# Altium PCB Booster_Main_Board.PcbDoc (part 9 of 13) (continued)
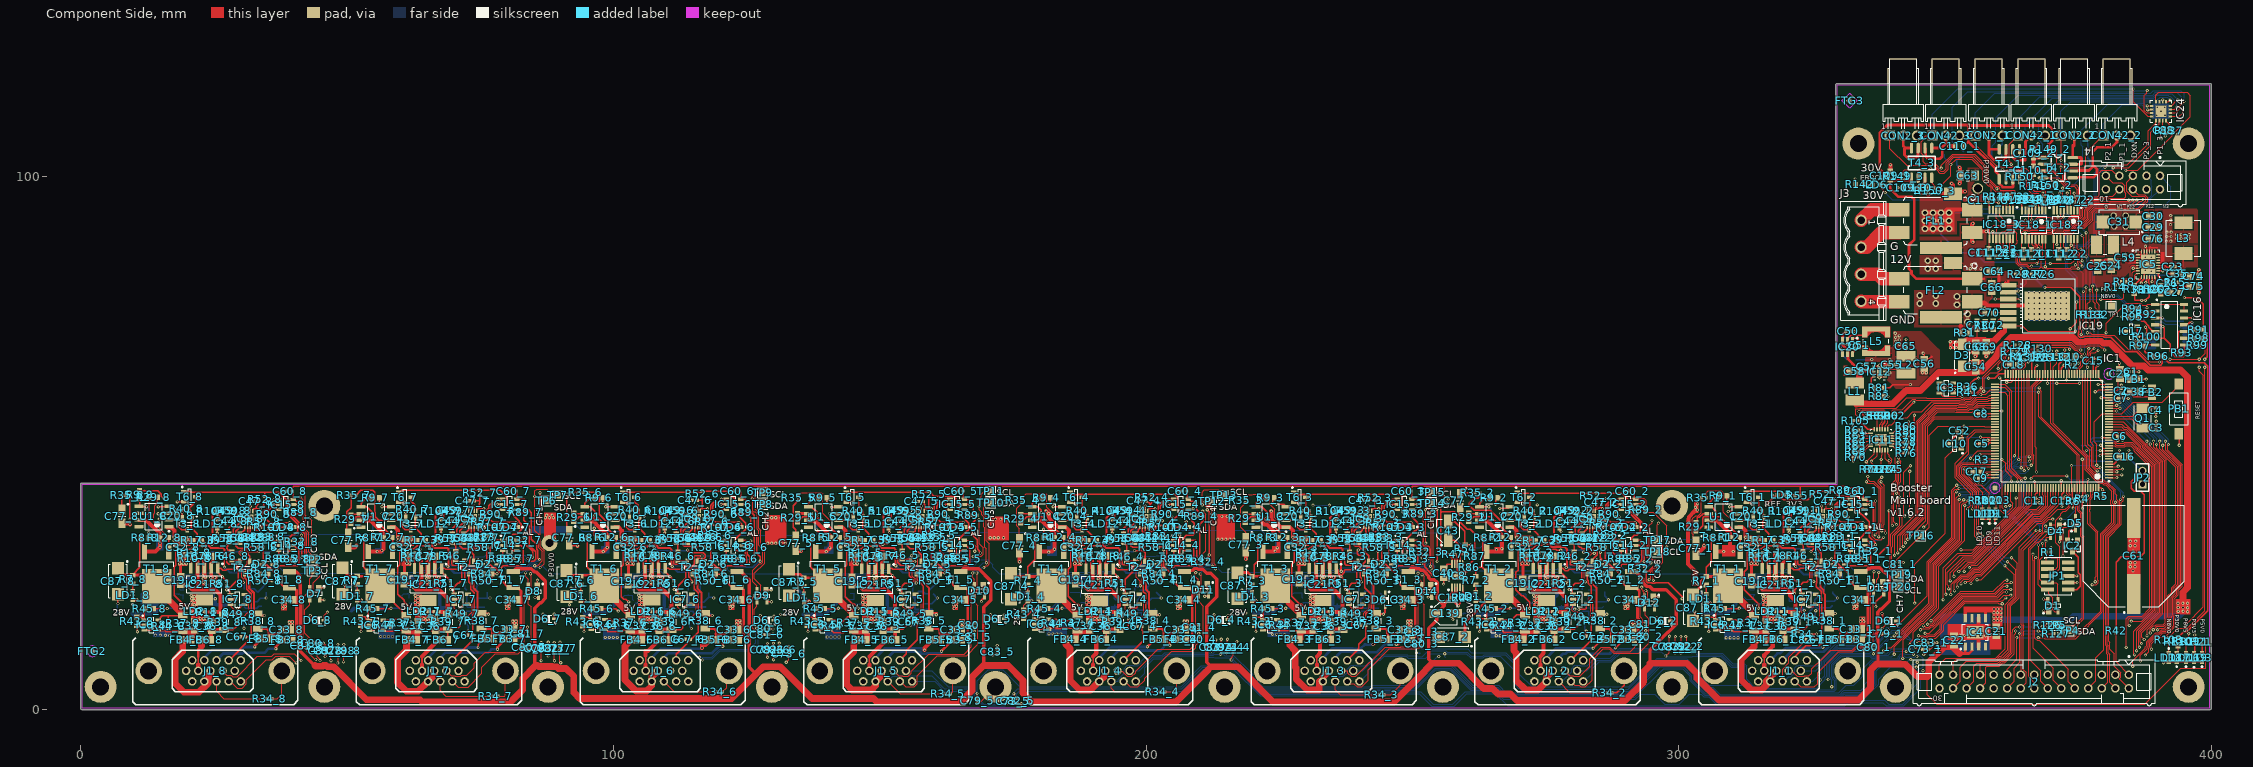
[diagram p0: Component Side view]
## Nets (pads, with @x,y where several pads share a name; then routed paths per layer and width w, separated by ;. In a path a pad name is that pad's centre, name@x,y a point inside that pad or via, vN(x,y) a via of type N, cw(c..) or ccw(c..) an arc to the next point about the centre after c; other vN are vias at no path point) (continued)
  Solder Side w0.152: v1(371.727,35.754) 372.721,35.754 375.264,38.297 375.264,38.7 375.574,39.01 375.613,39.01 376.707,40.104 v1(376.707,40.132)
NetIC1_143: IC1.143 R5.2 | length 2.1
  Component Side w0.152: IC1.143@378.303,41.599 378.303,40.112 378.409,40.005 R5.2@378.828,40.005
NetIC5_5: IC5.5 R14.1 | length 7
  Component Side w0.152: R14.1@381.978,79.724 382.478,80.224 382.478,80.564 382.758,80.843 384.318,80.843 384.728,81.254 384.728,83.006 385.095,83.373 385.533,83.373 385.55,83.357 IC5.5@386.208,83.357
NetIC5_7: IC5.7 R18.2 | length 3.7
  Component Side w0.152: R18.2@384.083,80.305 384.455,80.305 384.8,80.65 384.967,80.65 385.111,80.795 385.111,82.007 385.421,82.316 385.533,82.316 385.574,82.357 IC5.7@386.208,82.357
NetIC5_9: IC5.9 R16.2 R33.2 | length 3.9
  Component Side w0.254: R33.2@385.492,79.784 385.805,79.471 387.078,79.471 387.089,79.482 R16.2@387.27,79.302 ; R33.2@385.721,79.809 386.858,80.947 IC5.9@386.858,81.207
NetIC5_12: IC5.12 R19.2 | length 2
  Component Side w0.254: R19.2@388.337,79.302 388.358,79.323 388.358,79.997 388.279,80.077 388.279,80.686 388.358,80.765 IC5.12@388.358,81.207
NetIC6_1_1: IC6_1.1 R43_1.2 R45_1.1 | length 3.8
  Component Side w0.254: R43_1.2@305.346,17.354 306.375,17.354 306.524,17.205 306.524,17.027 306.697,16.854 306.947,16.854 R45_1.1@306.947,18.769
NetIC6_1_3: IC6_1.3 R44_1.1 | length 4.9
  Component Side w0.254: IC6_1.3@306.935,14.976 308.109,14.976 309.001,15.868 310.335,15.868 310.721,15.482 311.179,15.482 R44_1.1@311.263,15.398
NetIC6_2_1: IC6_2.1 R43_2.2 R45_2.1 | length 3.7
  Component Side w0.254: R43_2.2@262.563,17.354 262.89,17.027 263.741,17.027 263.914,16.854 IC6_2.1@263.947,16.854 ; R45_2.1@263.947,18.769 IC6_2.1@263.947,16.854 ; IC6_2.1@264.164,16.854 IC6_2.1@263.947,16.854
NetIC6_2_3: IC6_2.3 R44_2.1 | length 4.6
  Component Side w0.254: IC6_2.3@263.947,14.954 265.093,14.954 265.735,15.596 267.856,15.596 267.897,15.554 268.025,15.554 R44_2.1@268.188,15.391
NetIC6_3_1: IC6_3.1 R43_3.2 R45_3.1 | length 4.1
  Component Side w0.254: R43_3.2@220.346,17.354 221.375,17.354 221.524,17.205 221.524,17.027 221.697,16.854 IC6_3.1@221.947,16.854 221.947,18.769 222.038,18.86 R45_3.1@222.038,18.96
NetIC6_3_3: IC6_3.3 R44_3.1 | length 4.5
  Component Side w0.152: IC6_3.3@221.947,14.954 223.093,14.954 223.672,15.533 226.046,15.533 R44_3.1@226.188,15.391
NetIC6_4_1: IC6_4.1 R43_4.2 R45_4.1 | length 6.2
  Component Side w0.254: R43_4.2@177.013,17.085 177.063,17.085 177.386,17.408 177.386,17.458 178.888,18.96 R45_4.1@180.038,18.96 180.038,18.91 179.715,18.587 179.665,18.587 179.109,18.03 IC6_4.1@179.109,16.96
NetIC6_4_3: IC6_4.3 R44_4.1 | length 4.6
  Component Side w0.152: IC6_4.3@179.109,15.06 180.535,15.06 181.064,15.589 183.343,15.589 R44_4.1@183.463,15.709
NetIC6_5_1: IC6_5.1 R43_5.2 R45_5.1 | length 3.9
  Component Side w0.254: R43_5.2@136.248,17.354 137.277,17.354 137.426,17.205 137.426,17.027 137.599,16.854 137.849,16.854 R45_5.1@137.849,18.769 ; R45_5.1@138.038,18.86 R45_5.1@138.038,18.91
  Component Side w0.635: R45_5.1@138.038,18.91 R45_5.1@138.038,18.96
NetIC6_5_3: IC6_5.3 R44_5.1 | length 4.6
  Component Side w0.152: IC6_5.3@137.963,14.954 139.11,14.954 139.688,15.533 141.865,15.533 141.894,15.504 141.974,15.504 R44_5.1@142.188,15.29
NetIC6_6_1: IC6_6.1 R43_6.2 R45_6.1 | length 3.9
  Component Side w0.254: R43_6.2@94.206,17.354 95.236,17.354 95.384,17.205 95.384,17.027 95.557,16.854 95.807,16.854 R45_6.1@95.807,18.769 ; R45_6.1@96.038,18.86 R45_6.1@96.038,18.96
NetIC6_6_3: IC6_6.3 R44_6.1 | length 4.8
  Component Side w0.152: IC6_6.3@95.822,15.027 97.041,15.027 97.918,15.904 98.987,15.904 99.502,15.389 R44_6.1@100.048,15.389
NetIC6_7_1: IC6_7.1 R43_7.2 R45_7.1 | length 3.9
  Component Side w0.254: R43_7.2@52.346,17.375 53.375,17.375 53.524,17.226 53.524,17.048 53.697,16.875 53.947,16.875 R45_7.1@53.947,18.79 ; R45_7.1@54.038,18.86 R45_7.1@54.038,18.96
NetIC6_7_3: IC6_7.3 R44_7.1 | length 4.5
  Component Side w0.152: IC6_7.3@54.187,14.874 55.12,14.874 56.02,15.775 57.825,15.775 R44_7.1@58.188,15.412
NetIC6_8_1: IC6_8.1 R43_8.2 R45_8.1 | length 3.9
  Component Side w0.254: R43_8.2@10.346,17.325 11.375,17.325 11.524,17.176 11.524,16.998 11.697,16.825 11.947,16.825 R45_8.1@11.947,18.74 ; R45_8.1@12.038,18.831 R45_8.1@12.038,18.931
NetIC6_8_3: IC6_8.3 R44_8.1 | length 4.9
  Component Side w0.254: IC6_8.3@11.935,14.925 13.091,14.925 13.791,15.625 15.897,15.625 16.16,15.362 16.215,15.362 R44_8.1@16.378,15.199
NetIC7_1_1: IC7_1.1 R46_1.2 R53_1.1 | length 13.2
  Component Side w0.254: R53_1.1@322.762,31.36 323.085,31.037 323.179,31.037 323.328,30.888 R46_1.2@323.328,29.648 323.278,29.648 322.955,29.325 322.955,29.275 322.37,28.69 322.37,27.349 322.539,27.179 324.256,27.179 324.419,27.016 324.548,26.887 324.548,24.455 324.026,23.933 323.388,23.933 322.996,23.542 IC7_1.1@322.996,21.768
NetIC7_1_3: IC7_1.3 R49_1.1 | length 4.2
  Component Side w0.152: IC7_1.3@323.113,19.751 323.113,19.185 323.017,19.088 323.017,18.402 323.326,18.092 324.98,18.092 325.168,17.904 325.168,17.479 R49_1.1@325.192,17.455
NetIC7_2_1: IC7_2.1 R46_2.2 R53_2.1 | length 13.5
  Component Side w0.254: R53_2.1@279.762,31.36 280.085,31.037 280.229,31.037 280.378,30.888 280.378,29.704 279.599,28.925 279.599,27.322 279.747,27.173 281.215,27.173 281.808,26.58 281.808,24.068 281.469,23.728 280.541,23.728 279.996,23.183 279.996,21.768 IC7_2.1@280.098,21.667
NetIC7_2_3: IC7_2.3 R49_2.1 | length 3.9
  Component Side w0.152: IC7_2.3@280.113,19.751 280.113,19.248 279.938,19.073 279.938,18.635 280.248,18.325 280.977,18.325 281.033,18.269 281.251,18.269 281.863,17.657 281.883,17.657 282.097,17.443 R49_2.1@282.097,17.423
NetIC7_3_1: IC7_3.1 R46_3.2 R53_3.1 | length 13.2
  Component Side w0.254: R53_3.1@237.762,31.36 237.812,31.36 238.19,30.982 R46_3.2@238.19,29.578 238.14,29.578 237.817,29.255 237.817,29.205 237.44,28.828 237.44,28.626 237.334,28.52 237.334,27.385 237.593,27.126 239.221,27.126 ; IC7_3.1@238.098,21.667 238.098,23.18 238.646,23.728 239.383,23.728 239.561,23.906 239.561,26.787 239.221,27.126 ; 239.215,27.132 239.221,27.126
NetIC7_3_3: IC7_3.3 R49_3.1 | length 3
  Component Side w0.152: IC7_3.3@238.113,19.751 238.279,19.586 238.279,19.312 238.562,19.029 238.562,18.831 238.893,18.5 239.548,18.5 239.853,18.195 239.873,18.195 240.086,17.981 R49_3.1@240.086,17.961
NetIC7_4_1: IC7_4.1 R46_4.2 R53_4.1 | length 12.8
  Component Side w0.254: R53_4.1@195.762,31.36 195.812,31.36 196.135,31.037 196.135,30.987 196.378,30.744 R46_4.2@196.378,29.477 196.328,29.477 196.005,29.154 196.005,29.104 195.628,28.727 195.628,28.472 195.491,28.335 195.491,27.366 195.71,27.147 196.994,27.147 197.031,27.184 197.229,27.184 197.619,26.794 197.619,26.259 197.607,26.247 197.607,25.995 196.098,24.485 IC7_4.1@196.098,21.667
NetIC7_4_3: IC7_4.3 R49_4.1 | length 3.3
  Component Side w0.152: IC7_4.3@196.113,19.751 196.113,18.854 196.467,18.5 197.531,18.5 197.665,18.366 197.665,18.284 197.754,18.195 197.873,18.195 198.086,17.981 R49_4.1@198.086,17.961
NetIC7_5_1: IC7_5.1 R46_5.2 R53_5.1 | length 14.2
  Component Side w0.254: R53_5.1@153.762,31.36 153.812,31.36 154.135,31.037 154.135,30.943 154.19,30.888 R46_5.2@154.19,29.81 154.19,29.088 154.041,28.939 153.575,28.939 153.411,28.776 153.411,27.629 153.914,27.126 155.221,27.126 ; IC7_5.1@154.098,21.667 154.098,23.18 154.646,23.728 155.942,23.728 156.281,24.068 156.281,24.373 155.561,25.093 155.561,26.787 155.221,27.126 ; 155.189,27.158 155.221,27.126
NetIC7_5_3: IC7_5.3 R49_5.1 | length 2.9
  Component Side w0.152: IC7_5.3@154.113,19.751 154.325,19.54 154.325,19.312 154.742,18.895 154.742,18.831 155.051,18.521 155.51,18.521 155.665,18.366 155.665,18.284 155.754,18.195 155.873,18.195 156.086,17.981 R49_5.1@156.086,17.961
NetIC7_6_1: IC7_6.1 R46_6.2 R53_6.1 | length 12.7
  Component Side w0.254: R53_6.1@111.762,31.36 111.79,31.36 112.113,31.037 R46_6.2@112.113,29.576 112.063,29.576 111.74,29.253 111.74,29.203 111.334,28.796 111.334,27.41 111.497,27.246 113.101,27.246 113.561,26.787 113.561,24.643 112.098,23.18 IC7_6.1@112.098,21.667
NetIC7_6_3: IC7_6.3 R49_6.1 | length 3.1
  Component Side w0.152: IC7_6.3@112.113,19.751 112.113,19.166 112.779,18.5 113.531,18.5 113.61,18.421 113.718,18.421 113.807,18.332 113.807,18.261 114.086,17.981 R49_6.1@114.086,17.961
NetIC7_7_1: IC7_7.1 R46_7.2 R53_7.1 | length 12.8
  Component Side w0.254: R53_7.1@69.762,31.36 69.812,31.36 70.135,31.037 70.135,30.987 70.378,30.744 R46_7.2@70.378,29.65 70.328,29.65 70.005,29.327 70.005,29.277 69.599,28.87 69.599,27.244 69.751,27.092 70.707,27.092 70.741,27.126 71.221,27.126 71.561,26.787 71.561,24.336 70.929,23.703 70.791,23.703 70.033,22.945 70.033,21.732 IC7_7.1@70.113,21.651
NetIC7_7_3: IC7_7.3 R49_7.1 | length 3.2
  Component Side w0.152: IC7_7.3@70.113,19.751 70.113,19.015 70.632,18.496 70.758,18.496 70.762,18.5 71.548,18.5 71.853,18.195 71.873,18.195 72.086,17.981 R49_7.1@72.086,17.961
NetIC7_8_1: IC7_8.1 R46_8.2 R53_8.1 | length 13.3
  Component Side w0.254: R53_8.1@27.762,31.331 27.551,31.119 27.551,30.649 27.377,30.476 27.377,30.265 27.71,29.933 28.065,29.933 R46_8.2@28.378,29.621 28.328,29.621 28.005,29.298 28.005,29.248 27.353,28.596 27.353,27.686 27.748,27.291 29.027,27.291 29.561,26.758 29.561,24.444 27.996,22.879 27.996,22.772 27.986,22.762 27.986,21.749 IC7_8.1@28.113,21.622
NetIC7_8_3: IC7_8.3 R49_8.1 | length 3
  Component Side w0.152: IC7_8.3@28.113,19.722 28.221,19.614 28.221,19.283 29.033,18.471 29.531,18.471 29.665,18.337 29.665,18.255 29.754,18.166 29.873,18.166 30.086,17.952 R49_8.1@30.086,17.932
NetIC8_5: IC8.5 R48.2 | length 1.8
  Component Side w0.254: IC8.5@259.428,22.915 259.428,22.145 259.776,21.798 259.776,21.403 R48.2@259.894,21.285
NetIC8_6: IC8.6 R86.2 R87.1 | length 2.9
  Component Side w0.254: IC8.6@259.428,27.315 259.428,27.215 259.451,27.192 R86.2@260.662,27.192 260.682,27.192 260.845,27.355 260.845,27.447 261.722,28.325 R87.1@261.742,28.325
NetIC9_1_13: IC9_1.13 R56_1.1 | length 2
  Component Side w0.254: R56_1.1@324.693,32.935 324.98,32.935 325.822,33.777 IC9_1.13@325.822,34.339
NetIC9_2_13: IC9_2.13 R56_2.1 | length 1.9
  Component Side w0.254: R56_2.1@281.693,32.935 R56_2.1@281.807,33.049 ; R56_2.1@281.896,32.96 281.896,33.04 282.822,33.967 IC9_2.13@282.822,34.339
NetIC9_3_13: IC9_3.13 R56_3.1 | length 1.9
  Component Side w0.254: R56_3.1@239.693,32.935 R56_3.1@239.807,33.049 ; R56_3.1@239.896,32.96 239.909,32.96 240.612,33.663 240.612,33.854 240.822,34.064 IC9_3.13@240.822,34.339
NetIC9_4_13: IC9_4.13 R56_4.1 | length 2
  Component Side w0.254: R56_4.1@197.693,32.935 R56_4.1@197.807,33.049 ; R56_4.1@197.896,32.96 198.016,32.96 198.55,33.494 198.55,33.792 198.822,34.064 IC9_4.13@198.822,34.339
NetIC9_5_13: IC9_5.13 R56_5.1 | length 2
  Component Side w0.254: R56_5.1@155.693,32.935 R56_5.1@155.807,33.049 ; R56_5.1@155.896,32.96 156.099,32.96 156.612,33.473 156.612,33.854 156.822,34.064 IC9_5.13@156.822,34.339
NetIC9_6_13: IC9_6.13 R56_6.1 | length 2
  Component Side w0.254: R56_6.1@113.693,32.935 113.946,32.935 114.822,33.811 IC9_6.13@114.822,34.339
NetIC9_7_13: IC9_7.13 R56_7.1 | length 2.1
  Component Side w0.254: R56_7.1@71.693,32.935 72.006,32.935 72.822,33.751 IC9_7.13@72.822,34.339
NetIC9_8_13: IC9_8.13 R56_8.1 | length 2
  Component Side w0.254: R56_8.1@29.693,32.906 29.955,32.906 30.822,33.773 IC9_8.13@30.822,34.31
NetIC11_18: IC11.18 R66.2 | length 2.8
  Component Side w0.152: IC11.18@339.919,51.907 340.146,51.907 341.396,53.157 R66.2@342.249,53.157
NetIC11_22: IC11.22 R69.2 | length 2.3
  Component Side w0.152: IC11.22@337.719,52.607 337.719,53.493 338.219,53.993 R69.2@338.219,54.687
NetIC11_23: IC11.23 R67.2 | length 2.1
  Component Side w0.152: IC11.23@337.219,52.607 R67.2@337.219,54.687
NetIC12_5: IC12.5 R81.1 R82.2 | length 4.1
  Component Side w0.305: IC12.5@336.623,62.459 336.423,62.459 336.144,62.179 336.144,61.265 R81.1@336.753,60.655 ; R82.2@336.873,58.709 R81.1@336.873,60.459
NetIC12_9: IC12.9 L2.1 | length 2.6
  Component Side w0.305: IC12.9@338.723,63.959 339.168,63.959 339.271,63.856 L2.1@341.249,63.856
NetIC15_1_1: IC15_1.1 R89_1.1 R117_1.2 | length 40.6
  Component Side w0.152: v1(325.328,24.054) 325.328,24.154 325.047,24.434 325.047,25.946 326.207,27.105 326.207,28.571 325.557,29.221 v1(325.458,29.221) ; v1(336.928,39.154) 336.928,34.897 336.834,34.804 336.834,33.762 336.326,33.254 336.326,32.527 336.923,31.93 337.274,31.93 337.322,31.882 338.001,31.882 v1(338.428,32.309)
  Component Side w0.254: R89_1.1@331.398,40.732 332.014,40.732 332.149,40.598 332.682,40.598 332.784,40.496 333.018,40.496 333.968,39.547 333.968,38.083 334.219,37.832 334.607,37.832 IC15_1.1@334.876,37.563
  Signal Layer 1 w0.152: v1(325.458,29.221) v1@325.458,29.242 ; v1(333.666,38.735) 335.346,38.735 335.653,39.042 336.815,39.042 v1(336.928,39.154)
  Solder Side w0.152: v1(325.458,29.221) 326.401,29.221 327.101,29.921 333.063,29.921 334.928,31.786 337.906,31.786 v1(338.428,32.309)
  Solder Side w0.254: R117_1.2@324.882,22.864 324.882,23.939 325.097,24.154 325.197,24.054 v1(325.328,24.054)
NetIC15_1_6: IC15_1.6 R90_1.2 | length 1.2
  Component Side w0.254: R90_1.2@331.119,37.126 331.556,37.563 IC15_1.6@332.176,37.563
NetIC15_2_1: IC15_2.1 R89_2.1 R117_2.2 | length 33.5
  Component Side w0.152: v1(282.428,23.954) 282.228,24.153 282.228,26.604 283.207,27.583 283.207,28.821 283.74,29.354 v1(284.128,29.354) ; R89_2.1@293.802,37.008 295.224,37.008 297.728,34.504 v1(297.728,30.505)
  Component Side w0.254: IC15_2.1@291.876,37.563 291.876,37.405 293.358,37.405 R89_2.1@293.728,37.034
  Solder Side w0.152: v1(284.128,29.354) 284.128,29.553 284.618,30.043 297.266,30.043 v1(297.728,30.505)
  Solder Side w0.254: R117_2.2@281.856,22.5 281.856,23.403 282.407,23.954 v1(282.428,23.954)
NetIC15_2_6: IC15_2.6 R90_2.2 | length 1.2
  Component Side w0.254: R90_2.2@288.119,37.126 288.556,37.563 IC15_2.6@289.176,37.563
NetIC15_3_1: IC15_3.1 R89_3.1 R117_3.2 | length 34.4
  Component Side w0.152: v1(252.428,37.504) 252.528,37.404 v1(252.528,31.254)
  Component Side w0.254: v1@239.648,29.851 239.648,29.229 239.917,28.961 240.397,28.961 240.411,28.975 240.649,28.975 241.156,28.468 241.156,27.703 240.206,26.753 240.206,24.879 240.428,24.657 v1(240.428,23.954) ; v1(250.676,37.754) 250.485,37.563 IC15_3.1@249.876,37.563 249.904,37.563 250.228,37.239 250.228,37.004 250.948,36.284 R89_3.1@251.478,36.284
  Signal Layer 1 w0.152: v1(250.676,37.754) 251.109,37.754 251.393,37.47 252.394,37.47 v1(252.428,37.504)
  Solder Side w0.152: v1(239.828,29.954) 239.956,30.083 241.147,30.083 241.275,29.954 242.621,29.954 243.272,30.605 245.046,30.605 245.366,30.285 251.67,30.285 252.528,31.143 v1(252.528,31.254)
  Solder Side w0.254: R117_3.2@239.928,22.227 239.928,23.265 240.428,23.765 v1(240.428,23.954)
NetIC15_3_6: IC15_3.6 R90_3.2 | length 1.2
  Component Side w0.254: R90_3.2@246.119,37.126 246.556,37.563 IC15_3.6@247.176,37.563
NetIC15_4_1: IC15_4.1 R89_4.1 R117_4.2 | length 35
  Component Side w0.152: v1(198.928,23.254) 198.928,24.052 198.131,24.848 198.131,26.408 199.161,27.438 199.161,28.721 v1(199.128,28.754) ; IC15_4.1@207.876,37.563 208.01,37.697 v1(208.828,37.697) ; v1(210.628,37.254) 210.628,37.248 211.217,36.659 211.217,29.802 210.728,29.313 v1(210.728,28.454)
  Component Side w0.254: IC15_4.1@207.876,37.563 207.876,37.065 208.179,36.762 208.677,36.762 209.185,36.254 R89_4.1@209.758,36.254
  Solder Side w0.152: v1(199.128,28.754) 201.716,28.754 201.863,28.9 209.938,28.9 210.385,28.454 v1(210.728,28.454) ; v1(208.828,37.697) 209.099,37.426 209.099,37.41 209.409,37.1 210.474,37.1 v1(210.628,37.254)
  Solder Side w0.254: R117_4.2@197.828,22.379 197.853,22.379 197.853,22.948 198.422,22.948 198.728,23.254 v1(198.928,23.254)
NetIC15_4_6: IC15_4.6 R90_4.2 | length 1.2
  Component Side w0.254: R90_4.2@204.119,37.126 204.556,37.563 IC15_4.6@205.176,37.563
NetIC15_5_1: IC15_5.1 R89_5.1 R117_5.2 | length 32.8
  Component Side w0.152: v1(156.828,23.754) 156.686,23.896 156.686,24.516 156.641,24.516 156.117,25.04 156.117,26.259 157.161,27.303 157.161,28.796 v1(157.128,28.829) ; v1(166.528,36.373) 167.127,36.373 R89_5.1@167.258,36.504 ; v1(167.528,28.754) 169.018,28.754 169.427,29.163 169.427,29.601 169.392,29.635 169.392,30.344 168.628,31.109 v1(168.628,35.654)
  Component Side w0.254: IC15_5.1@165.876,37.563 166.169,37.563 167.228,36.504 R89_5.1@167.258,36.504
  Signal Layer 1 w0.152: v1(166.528,36.373) 168.04,36.373 168.628,35.785 v1(168.628,35.654)
  Solder Side w0.152: v1(157.128,28.829) 157.96,29.66 165.975,29.66 166.881,28.754 v1(167.528,28.754)
  Solder Side w0.254: R117_5.2@156.228,22.154 156.228,23.205 156.777,23.754 v1(156.828,23.754)
NetIC15_5_6: IC15_5.6 R90_5.2 | length 1.2
  Component Side w0.254: R90_5.2@162.119,37.126 162.556,37.563 IC15_5.6@163.176,37.563
NetIC15_6_1: IC15_6.1 R89_6.1 R117_6.2 | length 30.7
  Component Side w0.254: v1(114.728,23.954) 114.728,24.29 114.117,24.901 114.117,26.261 115.128,27.272 115.128,28.695 115.262,28.829 v1(116.628,28.829) ; IC15_6.1@123.876,37.563 123.876,36.856 123.978,36.754 125.008,36.754 R89_6.1@125.228,36.534 125.248,36.534 125.411,36.371 125.411,36.351 125.789,35.973 125.789,33.012 126.428,32.373 v1(126.428,27.813)
  Solder Side w0.152: v1(116.628,28.829) 116.667,28.868 118.148,28.868 118.367,29.087 120.216,29.087 120.436,28.868 121.962,28.868 122.336,28.494 123.866,28.494 124.129,28.231 126.01,28.231 v1(126.428,27.813)
  Solder Side w0.254: R117_6.2@114.02,22.364 114.02,23.069 114.728,23.777 v1(114.728,23.954)
NetIC15_6_6: IC15_6.6 R90_6.2 | length 1.2
  Component Side w0.254: R90_6.2@120.119,37.126 120.556,37.563 IC15_6.6@121.176,37.563
NetIC15_7_1: IC15_7.1 R89_7.1 R117_7.2 | length 31.6
  Component Side w0.254: v1(72.128,23.954) 72.128,26.472 73.028,27.372 v1(73.028,28.662) ; IC15_7.1@81.876,37.563 81.919,37.563 82.583,36.899 83.058,36.899 83.423,36.534 R89_7.1@83.478,36.534 83.149,36.205 83.149,35.514 84.19,34.473 84.19,30.874 85.407,29.656 85.407,28.224 85.058,27.875 84.442,27.875 83.963,28.354 v1(83.928,28.354)
  Solder Side w0.152: v1(73.028,28.662) 75.749,28.662 76.483,29.396 77.182,29.396 77.643,28.935 83.382,28.935 83.928,28.389 v1(83.928,28.354)
  Solder Side w0.254: v1(72.128,23.954) 72.128,22.771 R117_7.2@72.478,22.421
NetIC15_7_6: IC15_7.6 R90_7.2 | length 1.2
  Component Side w0.254: R90_7.2@78.119,37.126 78.556,37.563 IC15_7.6@79.176,37.563
NetIC15_8_1: IC15_8.1 R89_8.1 R117_8.2 | length 34.1
  Component Side w0.152: v1(30.528,23.854) 30.528,24.519 30.257,24.791 30.257,26.387 31.207,27.337 31.207,28.651 30.947,28.91 30.083,28.91 29.774,29.22 29.774,29.658 29.94,29.824 30.083,29.967 30.521,29.967 30.664,29.824 30.694,29.794 31.289,29.794 31.43,29.654 v1(33.428,29.654) ; v1(43.028,36.054) 43.028,35.804 43.328,35.504 v1(43.328,29.792)
  Component Side w0.254: IC15_8.1@39.876,37.534 40.07,37.34 40.07,36.912 v1(40.228,36.754) 41.008,36.754 R89_8.1@41.228,36.534
  Signal Layer 1 w0.152: v1(40.228,36.754) 40.928,36.054 v1(43.028,36.054)
  Solder Side w0.152: v1(33.428,29.654) 33.528,29.754 43.29,29.754 v1(43.328,29.792)
  Solder Side w0.254: v1(30.528,23.854) 30.683,23.7 R117_8.2@30.683,22.612
NetIC15_8_6: IC15_8.6 R90_8.2 | length 1.2
  Component Side w0.254: R90_8.2@36.119,37.097 36.556,37.534 IC15_8.6@37.176,37.534
NetIC16_5: IC16.5 R94.2 R95.1 | length 6.9
  Component Side w0.254: R94.2@384.428,75.254 385.928,73.754 R95.1@386.028,73.754 386.928,72.854 387.35,72.854 388.209,71.995 388.209,71.752 388.977,70.984 IC16.5@389.452,70.984
NetIC16_7: IC16.7 R96.1 R97.2 | length 5.3
  Component Side w0.254: R96.1@389.203,66.329 389.203,66.379 388.553,67.029 387.653,67.029 387.453,67.229 R97.2@387.453,68.254 387.643,68.444 IC16.7@389.452,68.444
NetIC16_9: IC16.9 R98.1 R99.2 | length 3.3
  Component Side w0.254: IC16.9@394.852,69.714 396.75,69.714 R98.1@396.797,69.667 396.822,69.642 R99.2@396.822,68.372
NetIC16_10: IC16.10 R91.1 R93.1 | length 6.4
  Component Side w0.254: R93.1@393.736,67.026 393.736,70.785 393.935,70.984 IC16.10@394.852,70.984 ; IC16.10@395.514,71.039 395.819,71.344 R91.1@396.822,71.344
NetIC18_2_13: IC18_2.13
NetIC19_2: IC19.2 R27.1 | length 7.3
  Component Side w0.152: IC19.2@361.473,77.984 IC19.2@361.853,78.364 362.338,78.364 362.55,78.575 v1(363.728,78.575) ; v1(365.228,81.754) R27.1@366.258,81.754
  Solder Side w0.152: v1(363.728,78.575) 365.228,80.075 v1(365.228,81.754)
NetIC19_3: IC19.3 R28.1 R118.1 | length 13.7
  Component Side w0.152: v1(359.428,77.083) 361.842,77.083 IC19.3@361.853,77.094 v1(364.068,77.094) ; R28.1@364.198,81.754 364.198,82.725 v1(364.227,82.754)
  Solder Side w0.152: R118.1@358.493,77.154 359.357,77.154 v1(359.428,77.083) ; v1(364.068,77.094) 363.907,77.255 363.907,77.649 363.2,78.356 363.2,78.794 363.509,79.104 363.826,79.104 364.757,80.035 364.757,81.478 364.7,81.535 364.7,82.282 v1(364.227,82.754)
NetIC20_4: IC20.4 R124.1 R125.1 | length 4.5
  Component Side w0.254: v1(330.479,67.64) 330.479,67.547 330.601,67.425 330.601,66.877 IC20.4@330.749,66.729
  Solder Side w0.254: R125.1@330.749,68.554 330.479,68.285 v1(330.479,67.64) 330.542,67.578 330.542,66.796 331.659,65.679 R124.1@331.659,65.629
NetIC21_1_5: IC21_1.5 R10_1.1 R13_1.2 | length 2.9
  Component Side w0.254: IC21_1.5@315.648,26.56 315.648,28.46 315.648,29.34 R13_1.2@315.768,29.46
NetIC21_2_5: IC21_2.5 R10_2.1 R13_2.2 | length 2.9
  Component Side w0.254: IC21_2.5@272.648,26.56 272.648,29.34 R13_2.2@272.768,29.46
NetIC21_3_5: IC21_3.5 R10_3.1 R13_3.2 | length 2.9
  Component Side w0.254: IC21_3.5@230.648,26.56 230.648,29.34 R13_3.2@230.768,29.46
NetIC21_4_5: IC21_4.5 R10_4.1 R13_4.2 | length 2.9
  Component Side w0.254: IC21_4.5@188.648,26.56 188.648,28.46 188.648,29.34 R13_4.2@188.768,29.46
NetIC21_5_5: IC21_5.5 R10_5.1 R13_5.2 | length 2.9
  Component Side w0.254: IC21_5.5@146.648,26.56 146.648,28.46 146.648,29.34 R13_5.2@146.768,29.46
NetIC21_6_5: IC21_6.5 R10_6.1 R13_6.2 | length 2.9
  Component Side w0.254: IC21_6.5@104.648,26.56 104.648,28.46 104.648,29.34 R13_6.2@104.768,29.46
NetIC21_7_5: IC21_7.5 R10_7.1 R13_7.2 | length 2.9
  Component Side w0.254: IC21_7.5@62.648,26.56 62.648,29.34 R13_7.2@62.768,29.46
NetIC21_8_5: IC21_8.5 R10_8.1 R13_8.2 | length 2.9
  Component Side w0.254: IC21_8.5@20.648,26.531 20.648,29.311 R13_8.2@20.768,29.431
NetIC22_1_4: IC22_1.4 R115_1.2 R116_1.1 R117_1.1 | length 7.1
  Solder Side w0.254: R117_1.1@324.882,21.924 325.998,21.924 R116_1.1@326.028,21.894 326.028,21.116 325.522,20.61 325.522,20.039 325.821,19.74 325.911,19.74 326.52,19.131 328.435,19.131 328.817,19.514 R115_1.2@328.872,19.514
NetIC22_2_4: IC22_2.4 R115_2.2 R116_2.1 R117_2.1 | length 7.6
  Solder Side w0.152: R117_2.1@281.856,21.56 R116_2.1@282.968,21.56 282.968,20.314 282.885,20.23 IC22_2.4@282.328,20.23 282.328,19.429 282.604,19.154 285.666,19.154 R115_2.2@285.882,19.37
NetIC22_3_4: IC22_3.4 R115_3.2 R116_3.1 R117_3.1 | length 6.1
  Solder Side w0.254: R116_3.1@240.978,21.287 240.629,20.938 240.278,20.938 IC22_3.4@240.278,19.857 240.278,19.154 240.454,18.977 R115_3.2@243.628,18.977
NetIC22_4_4: IC22_4.4 R115_4.2 R116_4.1 R117_4.1 | length 7.4
  Solder Side w0.254: R116_4.1@198.828,21.439 198.828,20.987 198.378,20.537 IC22_4.4@198.378,19.759 198.378,18.929 198.654,18.654 201.598,18.654 R115_4.2@201.828,18.884
  Solder Side w0.381: R117_4.1@197.828,21.439 R116_4.1@198.828,21.439
NetIC22_5_4: IC22_5.4 R115_5.2 R116_5.1 R117_5.1 | length 6.6
  Solder Side w0.381: R117_5.1@156.228,21.214 156.456,20.986 156.7,20.986 ; R116_5.1@157.228,21.244 157.198,21.214 156.928,21.214 156.7,20.986 ; R115_5.2@159.828,18.779 156.764,18.779 156.578,18.965 IC22_5.4@156.578,19.844 156.578,20.864 156.7,20.986
NetIC22_6_4: IC22_6.4 R115_6.2 R116_6.1 R117_6.1 | length 6.4
  Solder Side w0.381: R116_6.1@114.97,21.421 114.967,21.424 R117_6.1@114.02,21.424 114.17,21.274 IC22_6.4@114.17,20.114 114.17,19.245 114.146,19.221 117.32,19.221 R115_6.2@117.32,19.234
NetIC22_7_4: IC22_7.4 R115_7.2 R116_7.1 R117_7.1 | length 6.4
  Solder Side w0.254: R116_7.1@73.378,21.484 73.375,21.481 R117_7.1@72.478,21.481 IC22_7.4@72.478,20.101 72.478,19.404 72.662,19.221 R115_7.2@75.828,19.221
NetIC22_8_4: IC22_8.4 R115_8.2 R116_8.1 R117_8.1 | length 7
  Solder Side w0.254: R116_8.1@31.783,21.698 31.757,21.672 R117_8.1@30.683,21.672 30.683,19.3 30.928,19.054 33.049,19.054 33.372,19.377 R115_8.2@33.983,19.377
NetIC24_4: IC24.4 R137.2 | length 1.6
  Component Side w0.152: IC24.4@391.511,110.57 391.511,110.41 392.071,109.85 R137.2@392.071,109.176
NetIC25_10: IC25.10 R141.1 R143.2 | length 41
  Solder Side w0.152: R141.1@364.553,92.862 368.402,92.862 369.595,91.669 371.145,91.669 372.643,90.17 372.643,82.525 374.32,80.848 374.32,78.664 375.412,77.572 382.322,77.572 384.124,75.769 384.124,73.546 386.85,70.82 386.85,70.77 387.224,70.396 R143.2@387.274,70.396
  Solder Side w0.508: R143.2@387.274,70.396 387.337,70.333 IC25.10@389.103,70.333
NetJ2_23: J2.23 R126.2 | length 20.4
  Component Side w0.152: J2.23@356.568,6.524 356.568,8.421 360.03,8.421 360.677,9.068 361.086,9.068 362.643,10.624 362.643,14.504 362.7,14.561 362.7,14.973 363.231,15.504 v1(363.977,15.504) ; v1(368.253,15.529) 368.313,15.59 368.579,15.59 369.258,16.269 R126.2@369.278,16.269
  Solder Side w0.152: v1(363.977,15.504) 368.227,15.504 v1(368.253,15.529)
NetJ2_24: J2.24 R127.2 | length 22.6
  Component Side w0.152: J2.24@356.568,3.984 357.607,5.022 357.607,7.925 357.798,8.116 360.157,8.116 360.803,8.763 361.213,8.763 362.947,10.498 362.947,14.004 363.228,14.285 v1(363.228,14.754) ; v1(367.478,14.754) 367.564,14.668 367.935,14.668 368.02,14.584 368.454,14.584 368.813,14.225 R127.2@370.4,14.225
  Solder Side w0.152: v1(363.228,14.754) 363.731,14.754 363.759,14.783 367.45,14.783 v1(367.478,14.754)
NetJ2_26: J2.26 R3.2 | length 59.6
  Component Side w0.152: J2.26@354.028,3.984 355.371,5.327 355.371,8.128 355.969,8.726 359.904,8.726 360.551,9.373 360.933,9.373 362.338,10.777 362.338,19.449 362.934,20.045 362.954,20.045 363.926,21.018 363.926,30.475 v1(367.081,33.63) ; v1(355.575,46.838) 355.651,46.914 R3.2@356.476,46.914 ; v1(360.629,46.939) 361.366,46.203 361.366,44.806 362.458,43.713 v1(362.458,42.875)
  Signal Layer 1 w0.152: v1(362.458,42.875) 362.682,42.651 362.682,38.029 v1(367.081,33.63)
  Solder Side w0.152: v1(355.575,46.838) 360.528,46.838 v1(360.629,46.939)
NetLD1_1_2: LD1_1.2 R7_1.1 | length 1.7
  Component Side w0.254: R7_1.1@305.162,23.381 305.181,23.362 LD1_1.2@305.181,21.67
NetLD1_2_2: LD1_2.2 R7_2.1 | length 1.4
  Component Side w0.254: LD1_2.2@261.874,22.036 LD1_2.2@261.874,22.061 R7_2.1@261.874,23.436
NetLD1_3_2: LD1_3.2 R7_3.1 | length 1.4
  Component Side w0.254: LD1_3.2@219.888,22.001 LD1_3.2@219.888,22.026 R7_3.1@219.888,23.401